# KiCad board DFTBoard.kicad_pcb (continued)
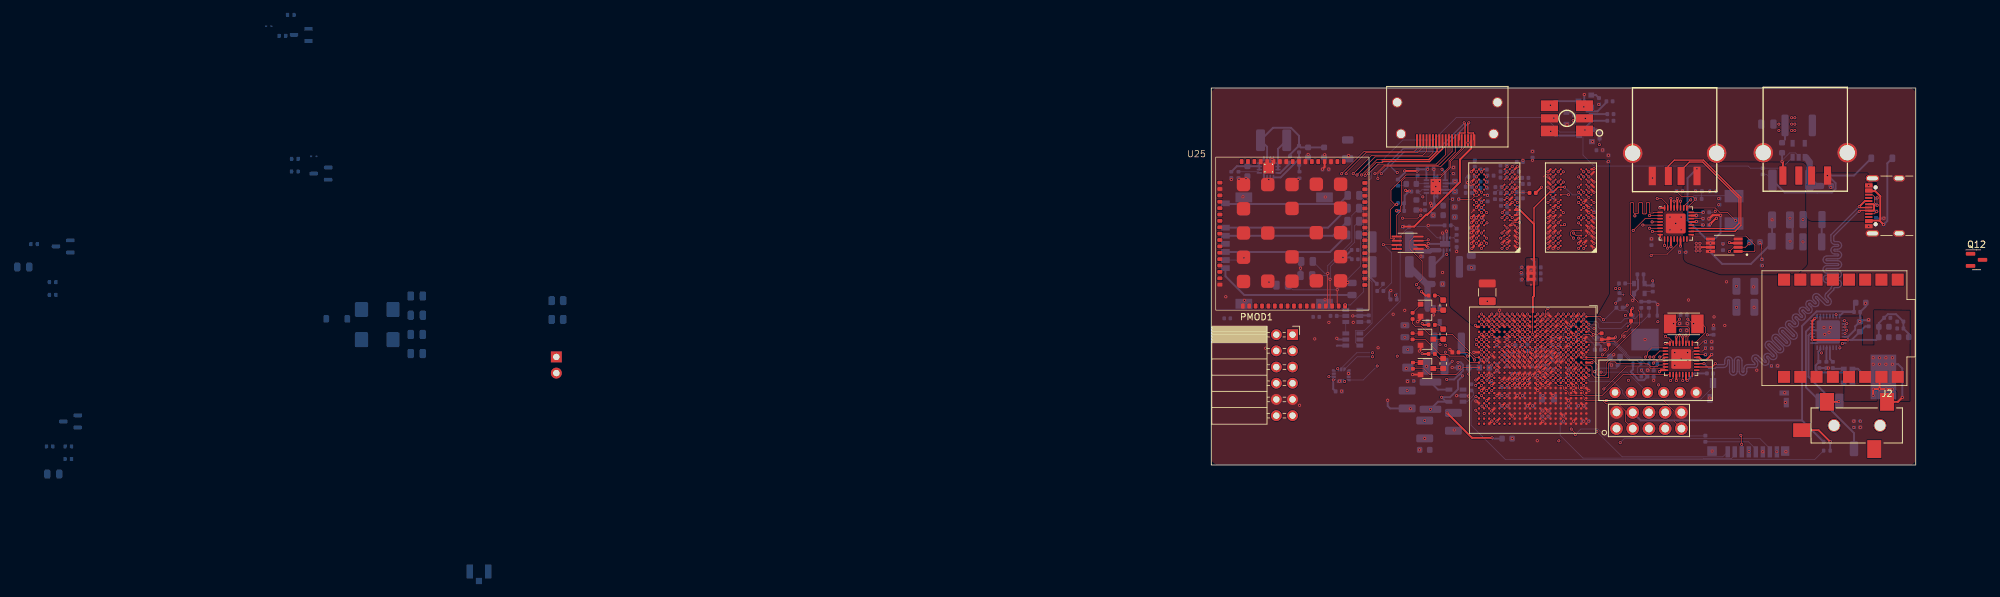
[diagram p0: board, top side]
## Routing (per net, layer and track width the routed paths; a pad name or vN(x,y) marks a point on that pad's centre or on a via; arc(x,y) is an arc through that point) (continued)
HDMI_CLK_P: length 97.2
  TOP_GND w0.102: v1(24.61,45.67) 26.11,47.18 35.21,47.18 36.7,48.67 Je1.10 ; U20.Y9 v1(43.11,17.27)
  SIGNAL2 w0.102: v1(43.11,17.27) 42.7,17.68 41.68,17.68 41.1,18.26 38.5,18.26 33.43,23.34 33.43,27.77 32.09,29.11 32.06,29.13 arc(31.92,29.19) 31.79,29.13 31.43,28.77 arc(31.14,28.65) 30.86,28.77 arc(30.74,29.06) 30.86,29.35 31.21,29.7 arc(31.27,29.84) 31.21,29.98 31.22,29.98 31.2,29.98 30.59,30.59 arc(30.46,30.65) 30.32,30.59 29.96,30.23 arc(29.67,30.11) 29.39,30.23 arc(29.27,30.52) 29.39,30.81 29.75,31.17 arc(29.8,31.3) 29.75,31.44 29.52,31.67 29.35,31.67 arc(29.07,31.78) 28.95,32.07 28.95,32.52 arc(28.9,32.66) 28.75,32.72 arc(28.61,32.66) 28.56,32.52 28.56,30.97 arc(28.44,30.68) 28.16,30.56 arc(27.87,30.68) 27.75,30.97 27.75,31.47 arc(27.7,31.61) 27.56,31.67 27.12,31.67 26.48,32.3 arc(26.34,32.36) 26.2,32.3 25.85,31.95 arc(25.56,31.83) 25.28,31.95 arc(25.16,32.23) 25.28,32.52 26.41,33.65 arc(26.47,33.79) 26.41,33.93 arc(26.27,33.99) 26.13,33.93 25.78,33.58 arc(25.49,33.46) 25.21,33.58 25.01,33.78 25.01,34.37 arc(24.95,34.52) 24.81,34.57 24.31,34.57 arc(24.02,34.69) 23.9,34.97 arc(24.02,35.26) 24.31,35.38 25.91,35.38 arc(26.05,35.43) 26.11,35.57 arc(26.05,35.72) 25.91,35.77 24.31,35.77 arc(24.02,35.89) 23.9,36.17 arc(24.02,36.46) 24.31,36.58 25.91,36.58 arc(26.05,36.63) 26.11,36.77 arc(26.05,36.92) 25.91,36.97 24.31,36.97 arc(24.02,37.09) 23.9,37.37 arc(24.02,37.66) 24.31,37.78 25.91,37.78 arc(26.05,37.83) 26.11,37.97 arc(26.05,38.12) 25.91,38.17 24.31,38.17 arc(24.02,38.29) 23.9,38.57 arc(24.02,38.86) 24.31,38.98 25.91,38.98 arc(26.05,39.03) 26.11,39.17 arc(26.05,39.32) 25.91,39.37 24.31,39.37 arc(24.02,39.49) 23.9,39.77 arc(24.02,40.06) 24.31,40.18 25.91,40.18 arc(26.05,40.23) 26.11,40.37 arc(26.05,40.52) 25.91,40.57 24.31,40.57 arc(24.02,40.69) 23.9,40.97 arc(24.02,41.26) 24.31,41.38 25.91,41.38 arc(26.05,41.43) 26.11,41.57 arc(26.05,41.72) 25.91,41.77 24.31,41.77 arc(24.02,41.89) 23.9,42.17 arc(24.02,42.46) 24.31,42.58 25.91,42.58 arc(26.05,42.63) 26.11,42.77 arc(26.05,42.92) 25.91,42.97 24.31,42.97 arc(24.02,43.09) 23.9,43.37 arc(24.02,43.66) 24.31,43.78 25.91,43.78 arc(26.05,43.83) 26.11,43.97 arc(26.05,44.12) 25.91,44.17 25.41,44.17 arc(25.12,44.29) 25.01,44.57 25.01,44.88 24.61,45.27 v1(24.61,45.67)
HDMI_G_N: length 98.7
  TOP_GND w0.102: v1(22.81,45.47) 22.81,45.5 25.64,48.33 34.03,48.33 34.7,49 Je1.6 ; 42.71,19.27 v1(42.31,19.67)
  SIGNAL1 w0.102: v1(22.81,45.47) 22.81,44.52 24.06,43.28 24.06,42.9 arc(24.11,42.76) 24.25,42.7 24.75,42.7 arc(25.04,42.58) 25.16,42.3 arc(25.04,42.02) 24.75,41.9 23.15,41.9 arc(23.01,41.84) 22.95,41.7 arc(23.01,41.56) 23.15,41.5 24.75,41.5 arc(25.04,41.38) 25.16,41.1 arc(25.04,40.82) 24.75,40.7 23.15,40.7 arc(23.01,40.64) 22.95,40.5 arc(23.01,40.36) 23.15,40.3 24.75,40.3 arc(25.04,40.18) 25.16,39.9 arc(25.04,39.62) 24.75,39.5 23.15,39.5 arc(23.01,39.44) 22.95,39.3 arc(23.01,39.16) 23.15,39.1 24.75,39.1 arc(25.04,38.98) 25.16,38.7 arc(25.04,38.42) 24.75,38.3 23.15,38.3 arc(23.01,38.24) 22.95,38.1 arc(23.01,37.96) 23.15,37.9 24.75,37.9 arc(25.04,37.78) 25.16,37.5 arc(25.04,37.22) 24.75,37.1 23.15,37.1 arc(23.01,37.04) 22.95,36.9 arc(23.01,36.76) 23.15,36.7 24.75,36.7 arc(25.04,36.58) 25.16,36.3 arc(25.04,36.02) 24.75,35.9 24.25,35.9 arc(24.11,35.84) 24.06,35.7 24.06,35.24 24.4,34.9 arc(24.54,34.84) 24.68,34.9 25.04,35.25 arc(25.32,35.37) 25.61,35.25 arc(25.72,34.97) 25.61,34.68 24.72,33.8 arc(24.66,33.66) 24.72,33.52 arc(24.86,33.46) 25,33.52 25.89,34.4 arc(26.17,34.52) 26.45,34.4 arc(26.57,34.12) 26.45,33.84 25.57,32.95 arc(25.51,32.81) 25.57,32.67 arc(25.71,32.61) 25.85,32.67 25.96,32.78 arc(26.24,32.89) 26.52,32.78 30.73,28.57 arc(30.85,28.28) 30.73,27.99 30.37,27.64 arc(30.31,27.5) 30.37,27.36 arc(30.51,27.31) 30.64,27.36 31,27.72 arc(31.29,27.84) 31.58,27.72 arc(31.7,27.43) 31.58,27.15 31.22,26.79 arc(31.16,26.65) 31.22,26.51 arc(31.36,26.46) 31.49,26.51 31.85,26.87 arc(32.14,26.99) 32.43,26.87 33.18,26.12 arc(33.32,26.06) 33.45,26.12 33.81,26.48 arc(34.1,26.6) 34.39,26.48 arc(34.51,26.19) 34.39,25.9 33.25,24.76 arc(33.19,24.62) 33.25,24.49 arc(33.38,24.43) 33.52,24.49 34.66,25.63 arc(34.95,25.75) 35.24,25.63 arc(35.35,25.34) 35.24,25.05 34.88,24.7 arc(34.82,24.56) 34.88,24.42 35.74,23.56 arc(35.86,23.27) 35.74,22.98 35.47,22.71 arc(35.41,22.58) 35.47,22.44 arc(35.6,22.38) 35.74,22.44 36.6,23.3 arc(36.89,23.42) 37.18,23.3 arc(37.3,23.01) 37.18,22.73 36.32,21.86 arc(36.26,21.73) 36.32,21.59 arc(36.45,21.53) 36.59,21.59 37.45,22.45 arc(37.74,22.57) 38.03,22.45 arc(38.15,22.16) 38.03,21.88 37.17,21.02 arc(37.11,20.88) 37.17,20.74 arc(37.3,20.69) 37.44,20.74 38.3,21.6 arc(38.59,21.72) 38.88,21.6 arc(38.99,21.32) 38.88,21.03 38.01,20.17 arc(37.96,20.03) 38.01,19.89 arc(38.15,19.84) 38.29,19.89 38.56,20.17 arc(38.85,20.28) 39.13,20.17 40.02,19.27 41.91,19.27 v1(42.31,19.67)
HDMI_G_P: length 99.1
  TOP_GND w0.102: v1(42.31,18.88) U20.AA7 ; Je1.4 33.7,49.15 33.08,48.53 25.06,48.53 v1(22.21,45.67)
  SIGNAL1 w0.102: v1(22.21,45.67) 22.21,44.84 23.85,43.19 23.85,42.9 arc(23.97,42.62) 24.25,42.5 24.75,42.5 arc(24.9,42.44) 24.95,42.3 arc(24.9,42.16) 24.75,42.1 23.15,42.1 arc(22.87,41.98) 22.75,41.7 arc(22.87,41.42) 23.15,41.3 24.75,41.3 arc(24.9,41.24) 24.95,41.1 arc(24.9,40.96) 24.75,40.9 23.15,40.9 arc(22.87,40.78) 22.75,40.5 arc(22.87,40.22) 23.15,40.1 24.75,40.1 arc(24.9,40.04) 24.95,39.9 arc(24.9,39.76) 24.75,39.7 23.15,39.7 arc(22.87,39.58) 22.75,39.3 arc(22.87,39.02) 23.15,38.9 24.75,38.9 arc(24.9,38.84) 24.95,38.7 arc(24.9,38.56) 24.75,38.5 23.15,38.5 arc(22.87,38.38) 22.75,38.1 arc(22.87,37.82) 23.15,37.7 24.75,37.7 arc(24.9,37.64) 24.95,37.5 arc(24.9,37.36) 24.75,37.3 23.15,37.3 arc(22.87,37.18) 22.75,36.9 arc(22.87,36.62) 23.15,36.5 24.75,36.5 arc(24.9,36.44) 24.95,36.3 arc(24.9,36.16) 24.75,36.1 24.25,36.1 arc(23.97,35.98) 23.85,35.7 23.85,35.16 24.26,34.75 arc(24.54,34.64) 24.83,34.75 25.18,35.11 arc(25.32,35.17) 25.46,35.11 arc(25.52,34.97) 25.46,34.83 24.58,33.94 arc(24.46,33.66) 24.58,33.37 arc(24.86,33.26) 25.14,33.37 26.03,34.26 arc(26.17,34.32) 26.31,34.26 arc(26.37,34.12) 26.31,33.98 25.42,33.09 arc(25.31,32.81) 25.42,32.52 arc(25.71,32.41) 25.99,32.52 26.1,32.63 arc(26.24,32.69) 26.38,32.63 26.6,32.41 26.6,32.39 30.58,28.42 arc(30.63,28.28) 30.58,28.15 30.22,27.79 arc(30.1,27.5) 30.22,27.21 arc(30.51,27.09) 30.8,27.21 31.15,27.57 arc(31.29,27.63) 31.43,27.57 arc(31.48,27.43) 31.43,27.3 31.07,26.94 arc(30.95,26.65) 31.07,26.36 arc(31.36,26.24) 31.64,26.36 32,26.72 arc(32.14,26.78) 32.28,26.72 32.29,26.72 32.52,26.49 32.52,26.48 33.03,25.97 arc(33.32,25.85) 33.6,25.97 33.96,26.33 arc(34.1,26.38) 34.24,26.33 arc(34.29,26.19) 34.24,26.05 33.09,24.91 arc(32.98,24.62) 33.09,24.34 arc(33.38,24.22) 33.67,24.34 34.81,25.48 arc(34.95,25.53) 35.08,25.48 arc(35.14,25.34) 35.08,25.2 34.73,24.85 arc(34.61,24.56) 34.73,24.27 35.59,23.41 arc(35.64,23.27) 35.59,23.14 35.32,22.86 arc(35.2,22.58) 35.32,22.29 arc(35.6,22.17) 35.89,22.29 36.75,23.15 arc(36.89,23.21) 37.03,23.15 arc(37.08,23.01) 37.03,22.88 36.17,22.02 arc(36.05,21.73) 36.17,21.44 arc(36.45,21.32) 36.74,21.44 37.6,22.3 arc(37.74,22.36) 37.88,22.3 arc(37.93,22.16) 37.88,22.03 37.01,21.17 arc(36.89,20.88) 37.01,20.59 arc(37.3,20.47) 37.59,20.59 38.45,21.45 arc(38.59,21.51) 38.72,21.45 arc(38.78,21.32) 38.72,21.18 37.86,20.32 arc(37.74,20.03) 37.86,19.74 arc(38.15,19.62) 38.44,19.74 38.71,20.01 arc(38.85,20.07) 38.98,20.01 40.51,18.48 41.93,18.48 42.31,18.86 v1(42.31,18.88)
HDMI_HEAC_N: length 97.5
  TOP_GND w0.102: 41.91,19.27 v1(41.51,19.67)
  TOP_GND w0.2: v1(40.31,53.66) 40.18,53.52 40.18,52.07 41.05,52.07 41.05,51.07 Je1.19
  SIGNAL2 w0.102: 30.72,32.49 30.72,32.32 ; 30.72,32.49 30.38,32.83 ; 30.72,32.49 30.38,32.83 ; 30.72,32.49 30.72,32.32 ; 30.72,32.32 30.52,32.12 30.51,32.13 30.37,31.99 30.59,31.77 30.89,32.08 31.12,32.08 31.4,31.8 31.4,31.6 31.17,31.37 31.16,31.37 31.16,31.2 31.29,31.07 31.59,31.37 31.83,31.37 32.08,31.12 32.08,30.86 31.87,30.65 31.87,30.49 31.94,30.42 32.06,30.42 32.1,30.46 32.1,30.46 32.28,30.64 32.56,30.64 32.77,30.43 32.77,30.01 32.97,29.81 arc(33.11,29.76) 33.25,29.81 33.6,30.17 arc(33.89,30.29) 34.17,30.17 arc(34.29,29.89) 34.17,29.6 33.39,28.82 arc(33.36,28.75) 33.39,28.68 33.53,28.54 arc(33.6,28.51) 33.67,28.54 34.45,29.32 arc(34.74,29.44) 35.02,29.32 arc(35.14,29.04) 35.02,28.75 34.14,27.87 arc(34.08,27.73) 34.14,27.59 arc(34.28,27.53) 34.42,27.59 34.52,27.69 arc(34.81,27.81) 35.09,27.69 35.51,27.27 35.51,26.97 arc(35.57,26.83) 35.71,26.78 36.08,26.78 arc(36.36,26.66) 36.48,26.38 arc(36.36,26.09) 36.08,25.97 34.74,25.97 arc(34.6,25.92) 34.54,25.77 arc(34.6,25.63) 34.74,25.58 36.08,25.58 arc(36.36,25.46) 36.48,25.17 arc(36.36,24.89) 36.08,24.77 34.74,24.77 arc(34.6,24.72) 34.54,24.57 arc(34.6,24.43) 34.74,24.38 35.11,24.38 arc(35.39,24.26) 35.51,23.97 35.51,23.47 39.31,19.67 v1(41.51,19.67) ; 30.72,32.32 30.55,32.16 ; 30.38,32.83 30.21,32.83 29.9,32.52 29.84,32.51 29.75,32.61 29.75,32.76 29.97,32.98 30.01,33.03 30.01,33.2 29.67,33.54 29.5,33.54 29.24,33.28 29.09,33.28 29.02,33.35 29.02,33.43 29.01,33.44 29.01,33.77 28.01,34.77 28.01,35.32 arc(27.89,35.61) 27.61,35.73 27.11,35.73 arc(26.97,35.78) 26.91,35.92 arc(26.97,36.07) 27.11,36.12 28.71,36.12 arc(28.99,36.24) 29.11,36.52 arc(28.99,36.81) 28.71,36.93 27.11,36.93 arc(26.97,36.98) 26.91,37.12 arc(26.97,37.27) 27.11,37.32 28.71,37.32 arc(28.99,37.44) 29.11,37.72 arc(28.99,38.01) 28.71,38.13 27.11,38.13 arc(26.97,38.18) 26.91,38.32 arc(26.97,38.47) 27.11,38.52 28.71,38.52 arc(28.99,38.64) 29.11,38.92 arc(28.99,39.21) 28.71,39.33 27.11,39.33 arc(26.97,39.38) 26.91,39.52 arc(26.97,39.67) 27.11,39.72 28.26,39.72 arc(28.51,39.83) 28.61,40.07 28.61,40.17 arc(28.51,40.42) 28.26,40.53 27.11,40.53 arc(26.97,40.58) 26.91,40.72 arc(26.97,40.87) 27.11,40.92 28.36,40.92 arc(28.64,41.04) 28.76,41.32 arc(28.64,41.61) 28.36,41.73 27.11,41.73 arc(26.97,41.78) 26.91,41.92 arc(26.97,42.07) 27.11,42.12 28.71,42.12 arc(28.99,42.24) 29.11,42.52 arc(28.99,42.81) 28.71,42.93 27.11,42.93 arc(26.97,42.98) 26.91,43.12 arc(26.97,43.27) 27.11,43.32 28.71,43.32 arc(28.99,43.44) 29.11,43.72 arc(28.99,44.01) 28.71,44.13 28.21,44.13 arc(28.07,44.18) 28.01,44.32 28.01,44.77 v1(29.11,45.87)
  BOTTOM w0.2: v1(40.31,53.66) 35.83,49.17 30.25,49.17 27.98,46.9 29,45.87 v1(29.11,45.87)
HDMI_HEAC_P: length 97
  TOP_GND w0.102: U20.AB7 v1(41.51,18.88)
  TOP_GND w0.2: Je1.14 38.85,51.07 38.85,52.07 39.72,52.07 39.72,53.52 v1(39.59,53.66)
  SIGNAL2 w0.102: v1(41.51,18.88) 39.82,18.88 35.31,23.39 35.31,23.97 arc(35.25,24.12) 35.11,24.17 34.74,24.17 arc(34.45,24.29) 34.33,24.57 arc(34.45,24.86) 34.74,24.98 36.08,24.98 arc(36.22,25.03) 36.28,25.17 arc(36.22,25.32) 36.08,25.37 34.74,25.37 arc(34.45,25.49) 34.33,25.77 arc(34.45,26.06) 34.74,26.18 36.08,26.18 arc(36.22,26.23) 36.28,26.38 arc(36.22,26.52) 36.08,26.57 35.71,26.57 arc(35.42,26.69) 35.31,26.97 35.31,27.19 34.95,27.55 arc(34.81,27.61) 34.67,27.55 34.56,27.44 arc(34.28,27.32) 33.99,27.44 arc(33.87,27.73) 33.99,28.01 34.88,28.9 arc(34.94,29.04) 34.88,29.18 arc(34.74,29.24) 34.6,29.18 33.82,28.4 arc(33.6,28.31) 33.39,28.4 33.25,28.54 arc(33.16,28.75) 33.25,28.97 34.03,29.75 arc(34.09,29.89) 34.03,30.03 arc(33.89,30.08) 33.75,30.03 33.39,29.67 arc(33.11,29.55) 32.83,29.67 32.57,29.93 32.57,30.34 32.48,30.44 32.36,30.44 32.08,30.16 31.91,30.16 31.58,30.49 31.58,30.66 31.84,30.92 31.85,30.92 31.88,30.95 31.88,31.03 31.75,31.16 31.68,31.16 31.55,31.04 31.38,30.86 31.21,30.86 30.87,31.2 30.87,31.37 31.19,31.68 31.2,31.68 31.2,31.71 31.04,31.88 30.97,31.88 30.67,31.57 30.5,31.57 30.16,31.91 30.16,32.08 30.42,32.34 30.44,32.34 30.46,32.36 30.46,32.46 30.36,32.56 30.24,32.56 29.98,32.31 29.76,32.31 29.54,32.53 29.54,32.85 29.66,32.96 29.74,33.04 29.74,33.18 29.66,33.26 29.52,33.26 29.33,33.07 29.01,33.07 28.81,33.27 28.81,33.69 27.81,34.69 27.81,35.32 arc(27.75,35.47) 27.61,35.52 27.11,35.52 arc(26.82,35.64) 26.7,35.92 arc(26.82,36.21) 27.11,36.33 28.71,36.33 arc(28.85,36.38) 28.91,36.52 arc(28.85,36.67) 28.71,36.72 27.11,36.72 arc(26.82,36.84) 26.7,37.12 arc(26.82,37.41) 27.11,37.53 28.71,37.53 arc(28.85,37.58) 28.91,37.72 arc(28.85,37.87) 28.71,37.92 27.11,37.92 arc(26.82,38.04) 26.7,38.32 arc(26.82,38.61) 27.11,38.73 28.71,38.73 arc(28.85,38.78) 28.91,38.92 arc(28.85,39.07) 28.71,39.12 27.11,39.12 arc(26.82,39.24) 26.7,39.52 arc(26.82,39.81) 27.11,39.93 28.26,39.93 arc(28.36,39.97) 28.41,40.07 28.41,40.17 arc(28.36,40.28) 28.26,40.32 27.11,40.32 arc(26.82,40.44) 26.7,40.72 arc(26.82,41.01) 27.11,41.13 28.36,41.13 arc(28.5,41.18) 28.56,41.32 arc(28.5,41.47) 28.36,41.52 27.11,41.52 arc(26.82,41.64) 26.7,41.92 arc(26.82,42.21) 27.11,42.33 28.71,42.33 arc(28.85,42.38) 28.91,42.52 arc(28.85,42.67) 28.71,42.72 27.11,42.72 arc(26.82,42.84) 26.7,43.12 arc(26.82,43.41) 27.11,43.53 28.71,43.53 arc(28.85,43.58) 28.91,43.72 arc(28.85,43.87) 28.71,43.92 28.21,43.92 arc(27.92,44.04) 27.81,44.32 27.81,44.48 v1(26.61,45.67)
  BOTTOM w0.2: v1(26.61,45.67) 27.66,46.73 27.66,47.22 30.07,49.62 35.64,49.62 39.59,53.57 v1(39.59,53.66)
HDMI_R_N: length 98.3
  TOP_GND w0.102: 26.74,47.43 25.81,47.43 24.09,45.71 v1(24.09,45.41) ; U20.Y5 v1(43.11,20.47)
  TOP_GND w0.2: Je1.9 36.2,49.61 34.17,47.58 26.88,47.58 26.74,47.43
  SIGNAL1 w0.102: v1(43.11,20.47) 42.89,20.47 42.49,20.88 40.4,20.88 40.23,21.05 arc(40.01,21.14) 39.8,21.05 39.73,20.97 arc(39.66,20.95) 39.59,20.97 39.45,21.12 arc(39.42,21.19) 39.45,21.25 40.23,22.04 arc(40.35,22.32) 40.23,22.6 arc(39.94,22.72) 39.66,22.6 39.3,22.25 arc(39.16,22.19) 39.02,22.25 arc(38.97,22.39) 39.02,22.53 39.38,22.88 arc(39.5,23.17) 39.38,23.45 arc(39.1,23.57) 38.81,23.45 38.46,23.1 arc(38.32,23.04) 38.18,23.1 arc(38.12,23.24) 38.18,23.38 38.53,23.73 arc(38.65,24.02) 38.53,24.3 arc(38.25,24.42) 37.96,24.3 37.61,23.95 arc(37.47,23.89) 37.33,23.95 arc(37.27,24.09) 37.33,24.23 37.68,24.58 arc(37.8,24.87) 37.68,25.15 arc(37.4,25.27) 37.11,25.15 36.09,24.12 arc(35.95,24.06) 35.81,24.12 arc(35.75,24.26) 35.81,24.4 36.05,24.65 arc(36.17,24.93) 36.05,25.22 35.81,25.46 35.81,25.76 35.75,25.82 arc(35.7,25.96) 35.75,26.1 36.11,26.45 arc(36.23,26.74) 36.11,27.02 arc(35.82,27.14) 35.54,27.02 35.19,26.67 arc(35.05,26.61) 34.91,26.67 arc(34.85,26.81) 34.91,26.95 35.26,27.3 arc(35.38,27.59) 35.26,27.87 arc(34.98,27.99) 34.69,27.87 34.34,27.52 arc(34.2,27.46) 34.06,27.52 33.76,27.81 arc(33.71,27.95) 33.76,28.09 34.12,28.44 arc(34.24,28.73) 34.12,29.01 arc(33.83,29.13) 33.55,29.01 33.2,28.66 arc(33.06,28.6) 32.92,28.66 arc(32.86,28.8) 32.92,28.94 33.27,29.29 arc(33.39,29.58) 33.27,29.86 arc(32.99,29.98) 32.7,29.86 31.57,28.73 arc(31.43,28.67) 31.29,28.73 arc(31.23,28.87) 31.29,29.01 31.64,29.36 arc(31.76,29.65) 31.64,29.93 31.43,30.14 31.43,30.16 31.37,30.22 arc(31.08,30.33) 30.8,30.21 30.45,29.86 arc(30.31,29.8) 30.17,29.86 arc(30.11,30) 30.17,30.14 31.3,31.28 arc(31.41,31.56) 31.29,31.84 arc(31.01,31.96) 30.73,31.84 30.37,31.49 arc(30.23,31.43) 30.09,31.48 29.55,32.02 arc(29.27,32.14) 28.99,32.02 28.63,31.66 arc(28.49,31.61) 28.35,31.66 arc(28.29,31.8) 28.35,31.94 29.49,33.08 arc(29.6,33.36) 29.49,33.65 arc(29.2,33.76) 28.92,33.65 28.56,33.29 arc(28.42,33.23) 28.28,33.29 27.81,33.76 27.81,33.97 arc(27.87,34.12) 28.01,34.17 28.51,34.17 arc(28.79,34.29) 28.91,34.57 arc(28.79,34.86) 28.51,34.98 27.41,34.98 arc(27.34,35.01) 27.31,35.07 27.31,35.27 arc(27.34,35.34) 27.41,35.37 28.51,35.37 arc(28.79,35.49) 28.91,35.77 arc(28.79,36.06) 28.51,36.18 26.91,36.18 arc(26.77,36.23) 26.71,36.37 arc(26.77,36.52) 26.91,36.57 28.51,36.57 arc(28.79,36.69) 28.91,36.97 arc(28.79,37.26) 28.51,37.38 26.91,37.38 arc(26.77,37.43) 26.71,37.57 arc(26.77,37.72) 26.91,37.77 28.51,37.77 arc(28.79,37.89) 28.91,38.17 arc(28.79,38.46) 28.51,38.58 26.91,38.58 arc(26.77,38.63) 26.71,38.77 arc(26.77,38.92) 26.91,38.97 28.36,38.97 arc(28.64,39.09) 28.76,39.37 arc(28.64,39.66) 28.36,39.78 26.91,39.78 arc(26.77,39.83) 26.71,39.97 arc(26.77,40.12) 26.91,40.17 28.26,40.17 arc(28.54,40.29) 28.66,40.57 arc(28.54,40.86) 28.26,40.98 26.91,40.98 arc(26.77,41.03) 26.71,41.17 arc(26.77,41.32) 26.91,41.37 27.41,41.37 arc(27.69,41.49) 27.81,41.77 27.81,42.66 27.63,42.85 arc(27.57,42.99) 27.63,43.13 27.82,43.32 arc(27.94,43.6) 27.82,43.89 arc(27.53,44) 27.25,43.89 27.06,43.7 arc(26.92,43.64) 26.78,43.7 25.95,44.52 24.98,44.52 v1(24.09,45.41)
HDMI_R_P: length 99.1
  TOP_GND w0.102: 26.74,47.88 25.92,47.88 v1(23.51,45.47) ; 43.51,19.27 v1(43.11,19.67)
  TOP_GND w0.2: Je1.7 35.2,49.77 35.35,49.62 35.35,49.18 34.05,47.88 26.74,47.88
  SIGNAL1 w0.102: v1(43.11,19.67) 42.72,20.07 40.92,20.07 40.08,20.9 arc(40.01,20.93) 39.94,20.9 39.87,20.83 arc(39.66,20.74) 39.44,20.83 39.3,20.97 arc(39.21,21.19) 39.3,21.4 40.08,22.18 arc(40.14,22.32) 40.08,22.46 arc(39.94,22.52) 39.8,22.46 39.45,22.1 arc(39.16,21.99) 38.88,22.1 arc(38.76,22.39) 38.88,22.67 39.24,23.03 arc(39.29,23.17) 39.24,23.31 arc(39.1,23.37) 38.96,23.31 38.6,22.95 arc(38.32,22.84) 38.03,22.95 arc(37.91,23.24) 38.03,23.52 38.39,23.88 arc(38.44,24.02) 38.39,24.16 arc(38.25,24.21) 38.11,24.16 37.75,23.8 arc(37.47,23.68) 37.18,23.8 arc(37.07,24.09) 37.18,24.37 37.54,24.73 arc(37.6,24.87) 37.54,25.01 arc(37.4,25.06) 37.26,25.01 36.23,23.98 arc(35.95,23.86) 35.66,23.98 arc(35.54,24.26) 35.66,24.55 35.91,24.79 arc(35.97,24.93) 35.91,25.07 35.61,25.38 35.61,25.68 arc(35.49,25.96) 35.61,26.24 35.96,26.6 arc(36.02,26.74) 35.96,26.88 arc(35.82,26.94) 35.68,26.88 35.33,26.52 arc(35.05,26.41) 34.76,26.52 arc(34.64,26.81) 34.76,27.09 35.12,27.45 arc(35.17,27.59) 35.12,27.73 arc(34.98,27.79) 34.84,27.73 34.48,27.37 arc(34.2,27.25) 33.91,27.37 33.62,27.66 arc(33.5,27.95) 33.62,28.23 33.97,28.59 arc(34.03,28.73) 33.97,28.87 arc(33.83,28.93) 33.69,28.87 33.34,28.51 arc(33.06,28.4) 32.77,28.51 arc(32.65,28.8) 32.77,29.08 33.13,29.44 arc(33.18,29.58) 33.13,29.72 arc(32.99,29.78) 32.85,29.72 31.71,28.58 arc(31.43,28.47) 31.14,28.58 arc(31.03,28.87) 31.14,29.15 31.5,29.51 arc(31.56,29.65) 31.5,29.79 31.23,30.06 31.23,30.07 arc(31.09,30.13) 30.95,30.07 30.59,29.71 arc(30.31,29.6) 30.02,29.71 arc(29.9,30) 30.02,30.28 31.15,31.42 arc(31.21,31.56) 31.15,31.7 arc(31.01,31.76) 30.87,31.7 30.52,31.34 arc(30.23,31.22) 29.95,31.34 29.41,31.87 arc(29.27,31.93) 29.13,31.87 28.78,31.52 arc(28.49,31.4) 28.21,31.52 arc(28.09,31.8) 28.21,32.09 29.34,33.22 arc(29.4,33.36) 29.34,33.5 arc(29.2,33.56) 29.06,33.5 28.71,33.15 arc(28.42,33.03) 28.14,33.15 27.61,33.68 27.61,33.97 arc(27.72,34.26) 28.01,34.38 28.51,34.38 arc(28.65,34.43) 28.71,34.57 arc(28.65,34.72) 28.51,34.77 27.41,34.77 arc(27.19,34.86) 27.1,35.07 27.1,35.27 arc(27.19,35.49) 27.41,35.58 28.51,35.58 arc(28.65,35.63) 28.71,35.77 arc(28.65,35.92) 28.51,35.97 26.91,35.97 arc(26.62,36.09) 26.5,36.37 arc(26.62,36.66) 26.91,36.78 28.51,36.78 arc(28.65,36.83) 28.71,36.97 arc(28.65,37.12) 28.51,37.17 26.91,37.17 arc(26.62,37.29) 26.5,37.57 arc(26.62,37.86) 26.91,37.98 28.51,37.98 arc(28.65,38.03) 28.71,38.17 arc(28.65,38.32) 28.51,38.37 26.91,38.37 arc(26.62,38.49) 26.5,38.77 arc(26.62,39.06) 26.91,39.18 28.36,39.18 arc(28.5,39.23) 28.56,39.37 arc(28.5,39.52) 28.36,39.57 26.91,39.57 arc(26.62,39.69) 26.5,39.97 arc(26.62,40.26) 26.91,40.38 28.26,40.38 arc(28.4,40.43) 28.46,40.57 arc(28.4,40.72) 28.26,40.77 26.91,40.77 arc(26.62,40.89) 26.5,41.17 arc(26.62,41.46) 26.91,41.58 27.41,41.58 arc(27.55,41.63) 27.61,41.77 27.61,42.58 27.48,42.7 arc(27.36,42.99) 27.48,43.27 27.67,43.46 arc(27.73,43.6) 27.67,43.74 arc(27.53,43.8) 27.39,43.74 27.2,43.55 arc(26.92,43.43) 26.63,43.55 25.91,44.27 24.65,44.27 23.51,45.41 v1(23.51,45.47)
HPCOM_N: length 21.5
  BOTTOM w0.3: U9.20 93.81,20.62 93.5,20.31 93.5,13.83 96.17,11.16 96.17,9.46 100.62,5.01 C40.1
HPCOM_P: length 13.1
  BOTTOM w0.3: U9.22 93.81,21.62 93.1,20.91 93.1,12.19 C44.1
I2C5_HDMI_SCLK: length 25.1
  TOP_GND w0.102: Je1.15 39.2,49.66 37.23,47.68 37.23,46.7 36.01,45.48 30.48,45.48 28.74,43.75 28.74,43.75 28.12,43.14 ; 28.12,43.07 28.12,41.46 28.78,40.81 ; 28.78,40.81 28.96,40.81 v1(29.01,40.86) ; 28.78,40.81 28.08,40.11 28.08,35.52 28.73,35.52 28.38,35.17
I2C5_HDMI_SDA: length 23.4
  TOP_GND w0.102: 29.61,39.76 29.03,39.18 29.03,35.82 ; 29.61,39.76 29.61,40.54 29.77,40.7 29.77,44.48 30.3,45.02 35.83,45.02 37.43,46.62 37.43,47.6 39.7,49.87 Je1.16 ; 29.61,39.76 29.5,39.87 v1(29.01,39.87)
I2C33_HDMI_SCLK: length 30.7
  TOP_GND w0.102: U20.U9 v1(45.51,17.27) ; v1(33.96,35.31) 33.83,35.17 32.44,35.17
  SIGNAL2 w0.102: v1(32.51,27.77) 32.51,26.42 32.63,26.3 32.63,23.85 37.2,19.28 37.2,18.94 38.28,17.86 39.91,17.86 40.89,16.88 45.11,16.88 v1(45.51,17.27)
  SIGNAL4 w0.102: v1(32.51,27.77) 32.51,31.41 32.43,31.41 32.21,31.64 32.21,33.55 v1(33.96,35.31)
I2C33_HDMI_SDA: length 31.8
  TOP_GND w0.102: v1(32.11,28.27) 33,29.17 33,32 31.1,33.91 31.1,35.14 31.78,35.82 ; U20.U10 v1(45.51,16.47)
  SIGNAL2 w0.102: v1(45.51,16.47) 45.11,16.07 39.24,16.07 37.66,17.66 37.25,17.66 36.31,18.6 36.31,18.93 36.42,19.04 36.42,19.37 31.72,24.07 31.72,27.88 v1(32.11,28.27)
I2C33_SCLK: length 130.5
  TOP_GND w0.102: U20.C5 v1(57.51,20.47)
  SIGNAL4 w0.102: 69.86,12.96 69.57,12.67 69.57,8.83 69.67,8.73 69.67,7.77 69.57,7.67 69.57,6.29 69.67,6.19 69.67,5.23 69.57,5.13 69.57,4.14 67.77,2.34 33.89,2.34 24.58,11.65 24.58,16.94 v1(25.24,17.6) ; 69.86,12.96 69.86,13.92 66.35,17.43 66.35,22.93 64.52,24.76 v2(64.52,26.71) ; 69.86,12.96 70.18,12.96 70.28,12.85 91.87,12.85 98.07,19.05 v1(98.81,19.05) ; v1(63.91,27.67) 63.91,27.66 58.72,22.47 58.72,21.78 58.61,21.67 58.13,21.67 57.92,21.46 57.92,20.88 v1(57.51,20.47)
  BOTTOM w0.102: v1(25.24,17.6) 22.77,17.6 20.35,15.18 ; v1(63.91,27.67) R103.2 64.16,26.71 v2(64.52,26.71)
I2C33_SDA: length 123.8
  TOP_GND w0.102: v2(65.17,21.72) 65.71,22.26 R104.2 65.71,21.57 65.11,20.97 64.81,20.97 64.22,20.38 64.22,19.95 63.55,19.28 63.17,19.28 63.12,19.34 61.91,19.34 61.82,19.24 60.81,19.24 60.78,19.27 58.71,19.27
  SIGNAL2 w0.102: v1(70.02,12.56) 69.69,12.89 65.69,12.89 v1(65.3,13.28)
  SIGNAL4 w0.102: v1(65.3,13.28) 67.17,13.28 67.25,13.36 ; v2(65.17,21.72) 65.17,15.44 67.25,13.36 ; 67.25,13.36 67.25,4.78 67.39,4.64 65.59,2.84 33.81,2.84 25.24,11.41 v1(25.24,16.97) ; v1(70.02,12.56) 70.11,12.65 92.02,12.65 92.4,12.27 98.42,18.29 v1(98.42,18.37)
  BOTTOM w0.102: v1(25.24,16.97) 22.83,16.97 U23.14
I2S_ADCSD: length 71.1
  TOP_GND w0.102: 41.91,12.09 v1(42.31,12.49)
  SIGNAL2 w0.102: v1(42.31,12.49) 43.34,12.49 43.79,12.04 44.07,12.04 44.33,11.78 44.33,8.24 49.99,2.58 78.23,2.58 87.62,11.97 90.55,11.97 v1(99.21,20.62)
I2S_BCLK: length 83.9
  TOP_GND w0.102: v1(42.29,14.07) 42.32,14.07 42.71,13.67
  SIGNAL1 w0.102: v1(42.29,14.07) 41.81,13.59 41.81,8.45 49.48,0.78 90.36,0.78 95.25,5.67 95.25,16.32 96.25,17.32 96.25,19.3 99.11,22.16 v1(99.49,22.16)
  BOTTOM w0.102: U9.2 99.46,22.12 v1(99.49,22.16)
I2S_DACSD: length 88.3
  TOP_GND w0.102: 42.71,12.9 v1(42.36,13.25)
  SIGNAL1 w0.102: v1(99.48,21.14) 99.17,21.14 97.43,19.4 97.43,17.07 96.23,15.88 96.23,4.65 91.71,0.13 48.86,0.13 40.73,8.26 40.73,13.19 42,14.46 42.45,14.46 42.68,14.23 42.68,13.57 v1(42.36,13.25)
  BOTTOM w0.102: U9.4 99.46,21.12 v1(99.48,21.14)
I2S_LRCLK: length 82.7
  TOP_GND w0.102: 41.78,12.88 v1(41.39,12.48)
  SIGNAL1 w0.102: v1(41.39,12.48) 40.93,12.02 40.93,8.52 48.95,0.5 91.04,0.5 95.73,5.19 95.73,16.17 96.93,17.38 96.93,19.38 v1(99.2,21.65)
I2S_MCLK: length 77.6
  TOP_GND w0.102: 43.51,13.67 43.15,13.31 v1(43.15,13.31)
  SIGNAL1 w0.102: v1(43.15,13.31) 43.52,12.94 43.52,10.49 52.34,1.67 88.71,1.67 93.93,6.89 93.93,17.49 99.07,22.63 v1(99.12,22.63)
IMU_INT1: length 28.2
  TOP_GND w0.102: U20.W15 43.91,11.67 v1(43.91,11.65)
  SIGNAL2 w0.102: v1(43.91,11.65) 43.54,11.28 39.69,11.28 38.58,10.17 35.93,10.17 35.61,10.49 35.61,12.17 31.71,16.07 26.52,16.07 v1(25.97,15.52)
  BOTTOM w0.102: v1(25.97,15.52) 23.78,13.33 U23.4
IMU_INT2: length 30.6
  TOP_GND w0.102: U20.Y15 v1(43.11,11.67)
  SIGNAL2 w0.102: v1(43.11,11.67) 42.7,12.08 40.2,12.08 38.49,10.37 37.42,10.37 37,10.79 37,11.06 31.8,16.27 25.03,16.27 22.59,13.83 22.56,13.86 v1(18.41,13.86)
  BOTTOM w0.102: v1(18.41,13.86) 18.44,13.83 U23.9
INIT_B: length 0.6
  TOP_GND w0.13: U20.T14 v1(46.31,12.47)
JD_HOUT: length 63.4
  TOP_GND w0.102: U20.AB17 41.67,10.72 v1(41.42,10.72)
  BOTTOM w0.102: v1(41.42,10.72) 40.67,9.97 40.67,6.24 46.08,0.83 94.45,0.83 R17.1
LED_1B_CTRL: length 80.6
  TOP_GND w0.102: 43.47,8.88 v1(43.07,9.27)
  SIGNAL4 w0.102: v1(60.67,56.54) 59.68,55.55 38.24,55.55 31.38,48.69 31.38,42.8 31.05,42.48 31.05,19.96 38.88,12.13 38.88,10.09 40.94,8.03 41.83,8.03 v1(43.07,9.27)
LED_1G_CTRL: length 72.6
  TOP_GND w0.102: v1(41.41,8.59) 41.41,8.57 U20.AB20
  SIGNAL4 w0.102: v1(56.65,54.01) 55.83,54.83 38.6,54.83 31.58,47.81 31.58,42.69 31.26,42.37 31.26,20.66 39.3,12.61 39.3,10.7 v1(41.41,8.59)
LED_1R_CTRL: length 71.7
  TOP_GND w0.102: 42.71,8.9 v1(42.38,9.23)
  SIGNAL4 w0.102: v1(60.75,50.24) 40.44,50.24 37.29,47.09 36.26,47.09 31.77,42.6 31.77,42.56 31.59,42.38 31.59,20.75 41.23,11.11 41.58,11.11 41.93,10.77 41.93,9.68 v1(42.38,9.23)